# Altium PCB STM32MP25XXAK_2_DDR4.PcbDoc (part 1 of 6) (continued)
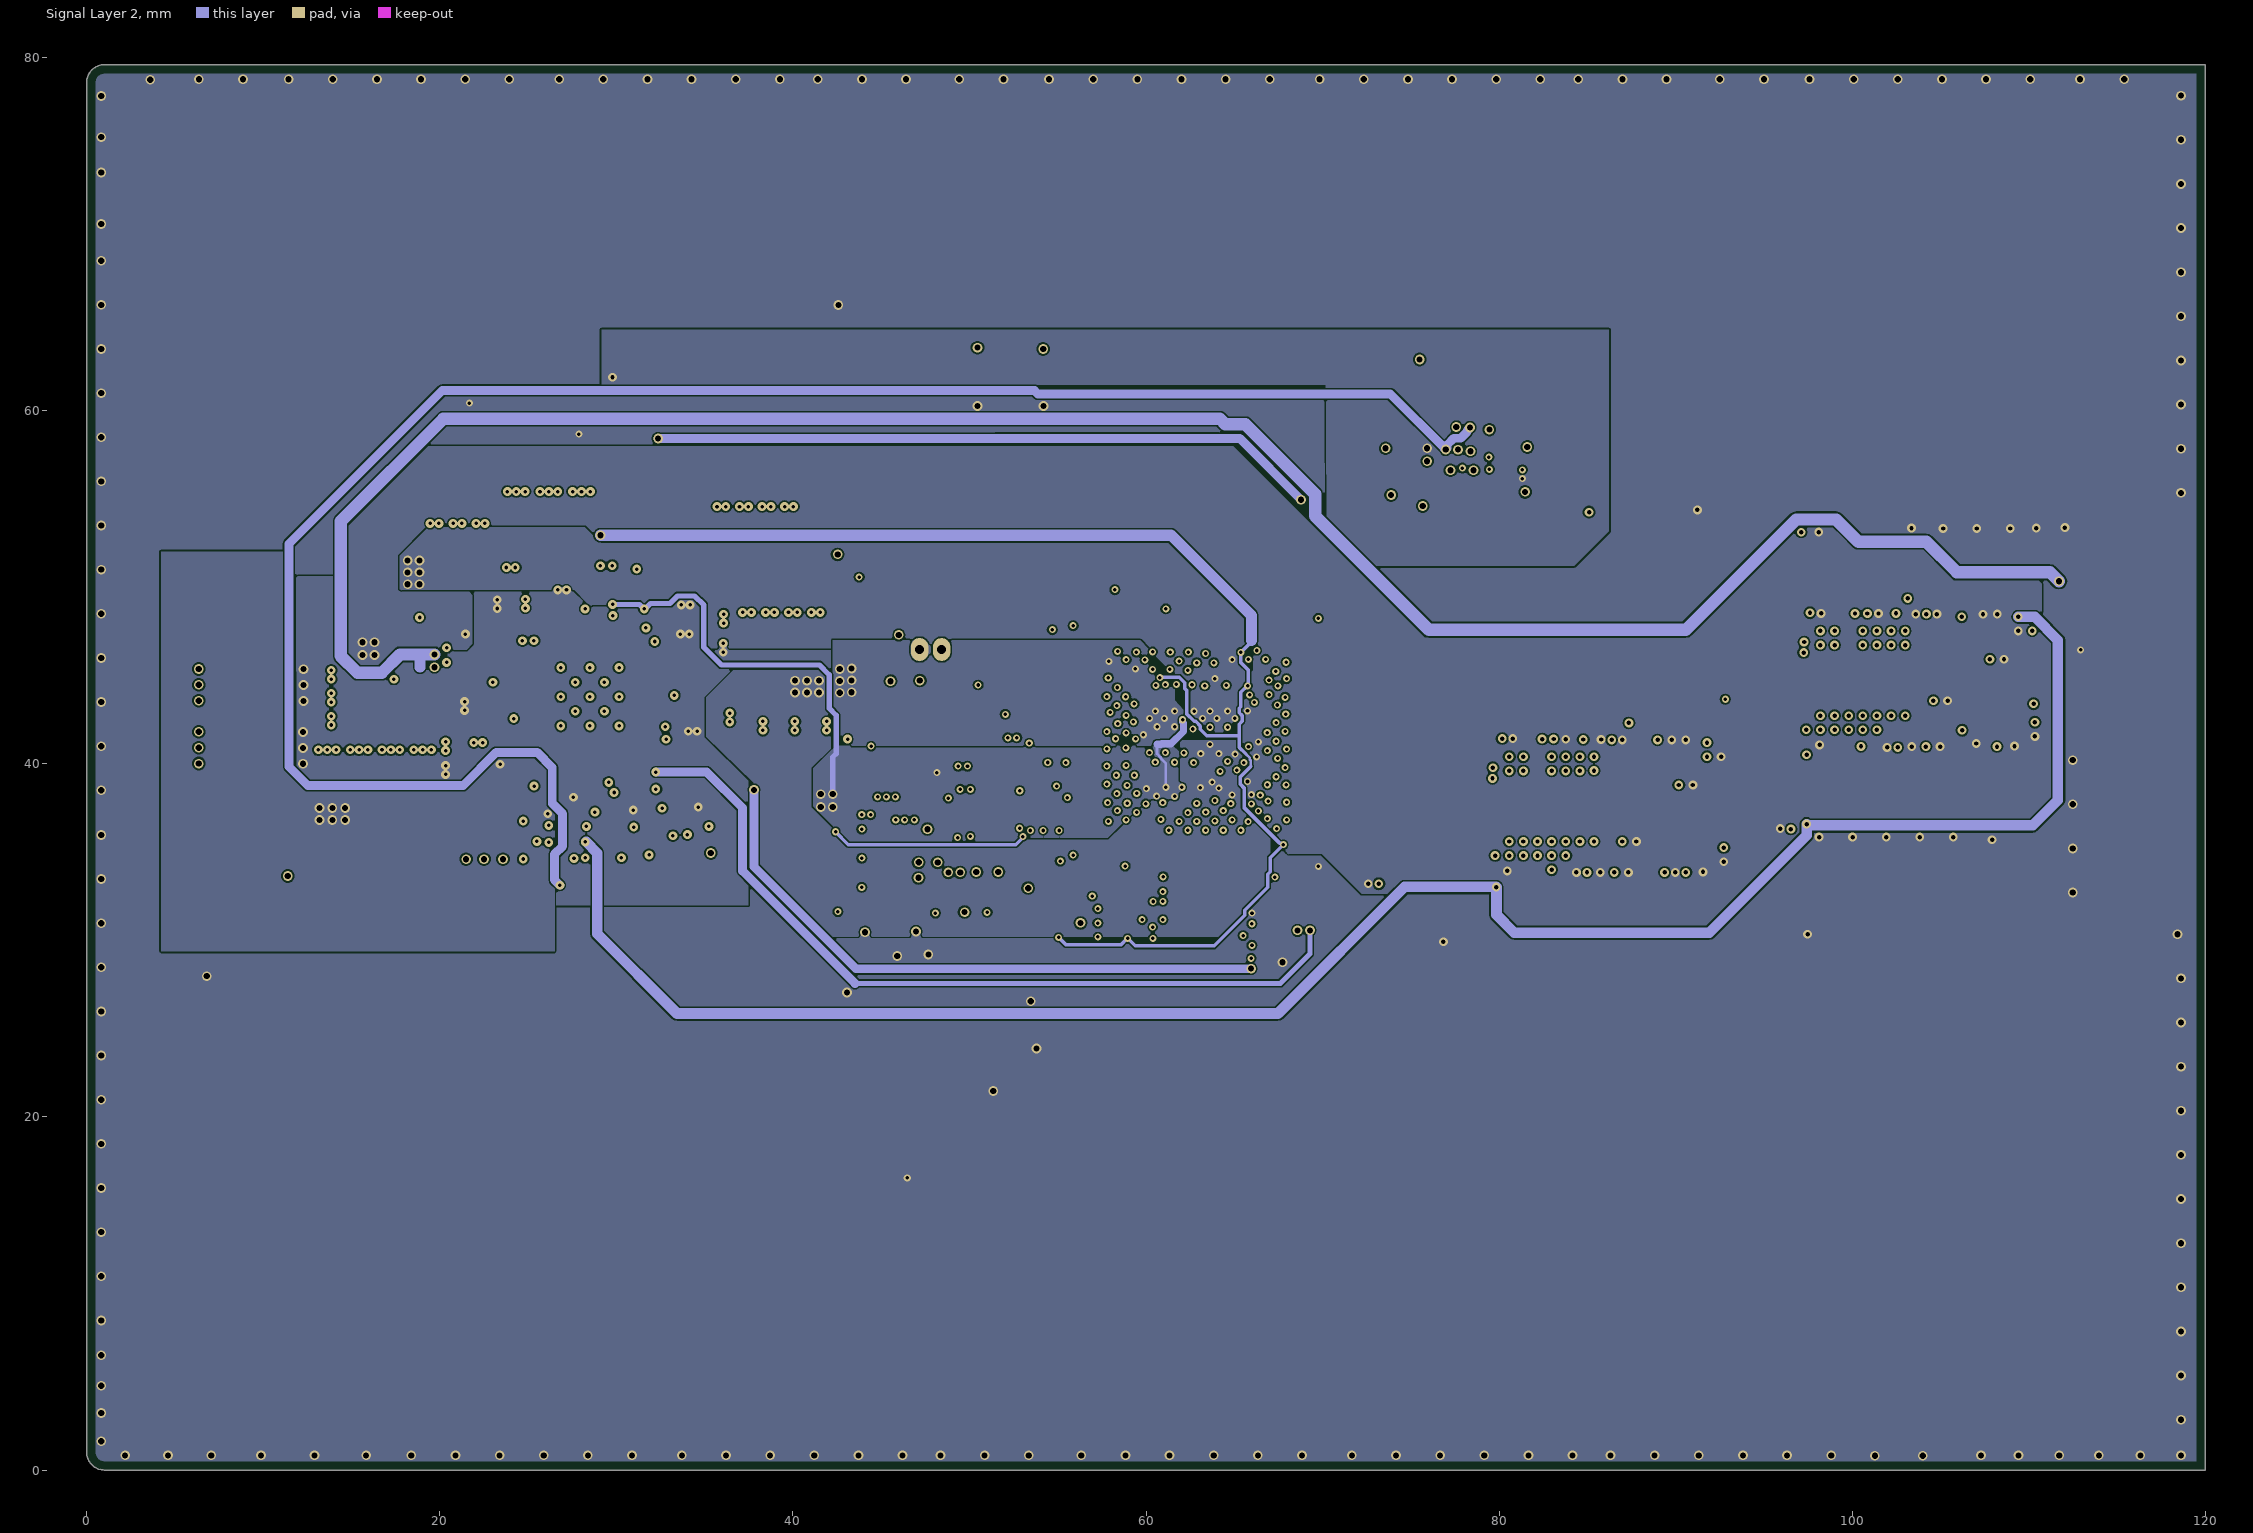
[diagram p3: Signal Layer 2]
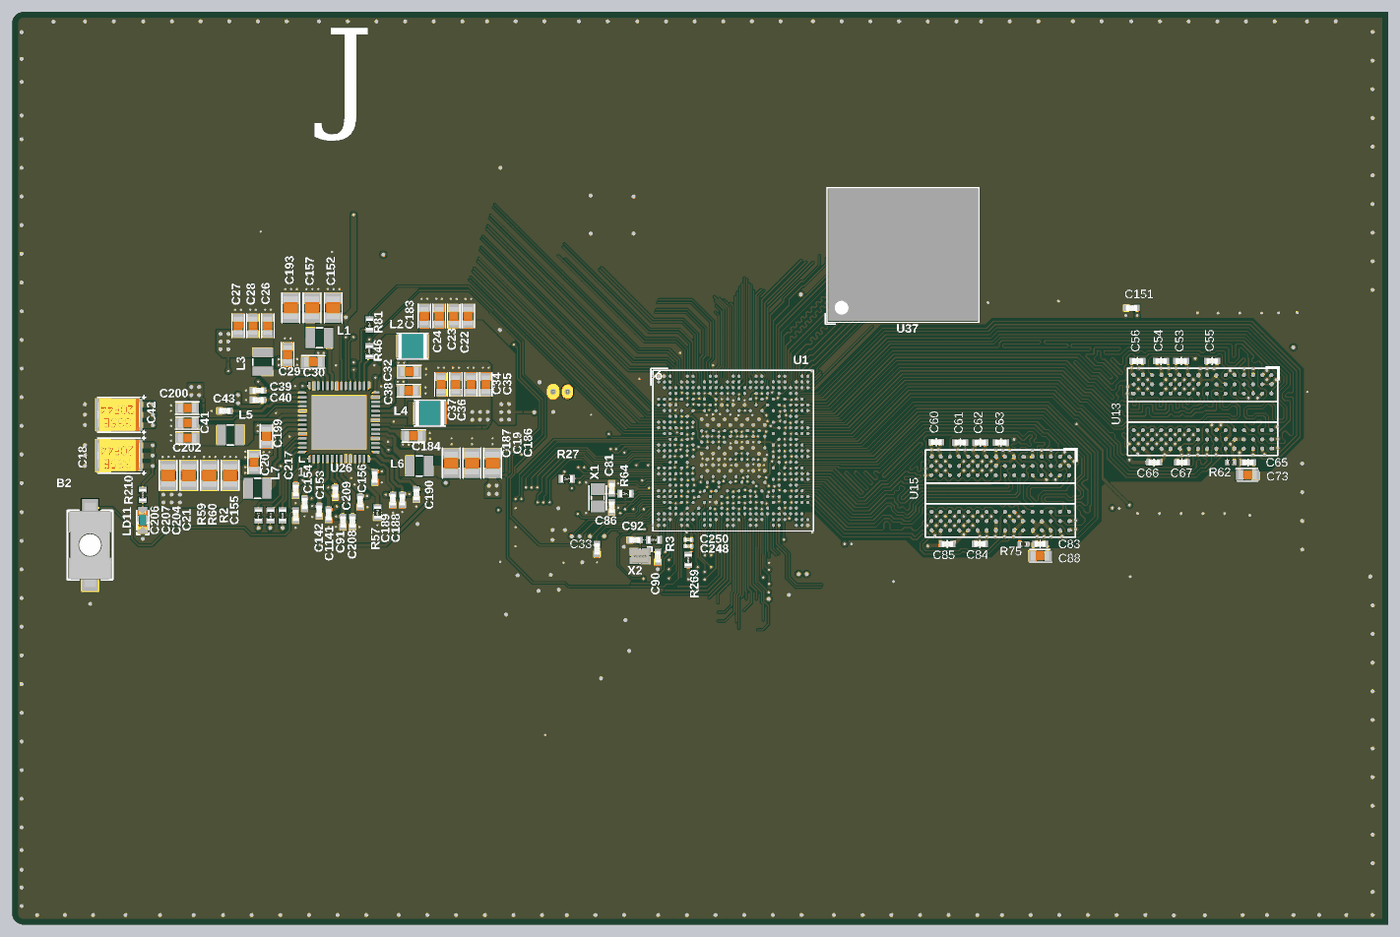
[diagram p9: 3D render of the assembled board from above, using the file's embedded part models]
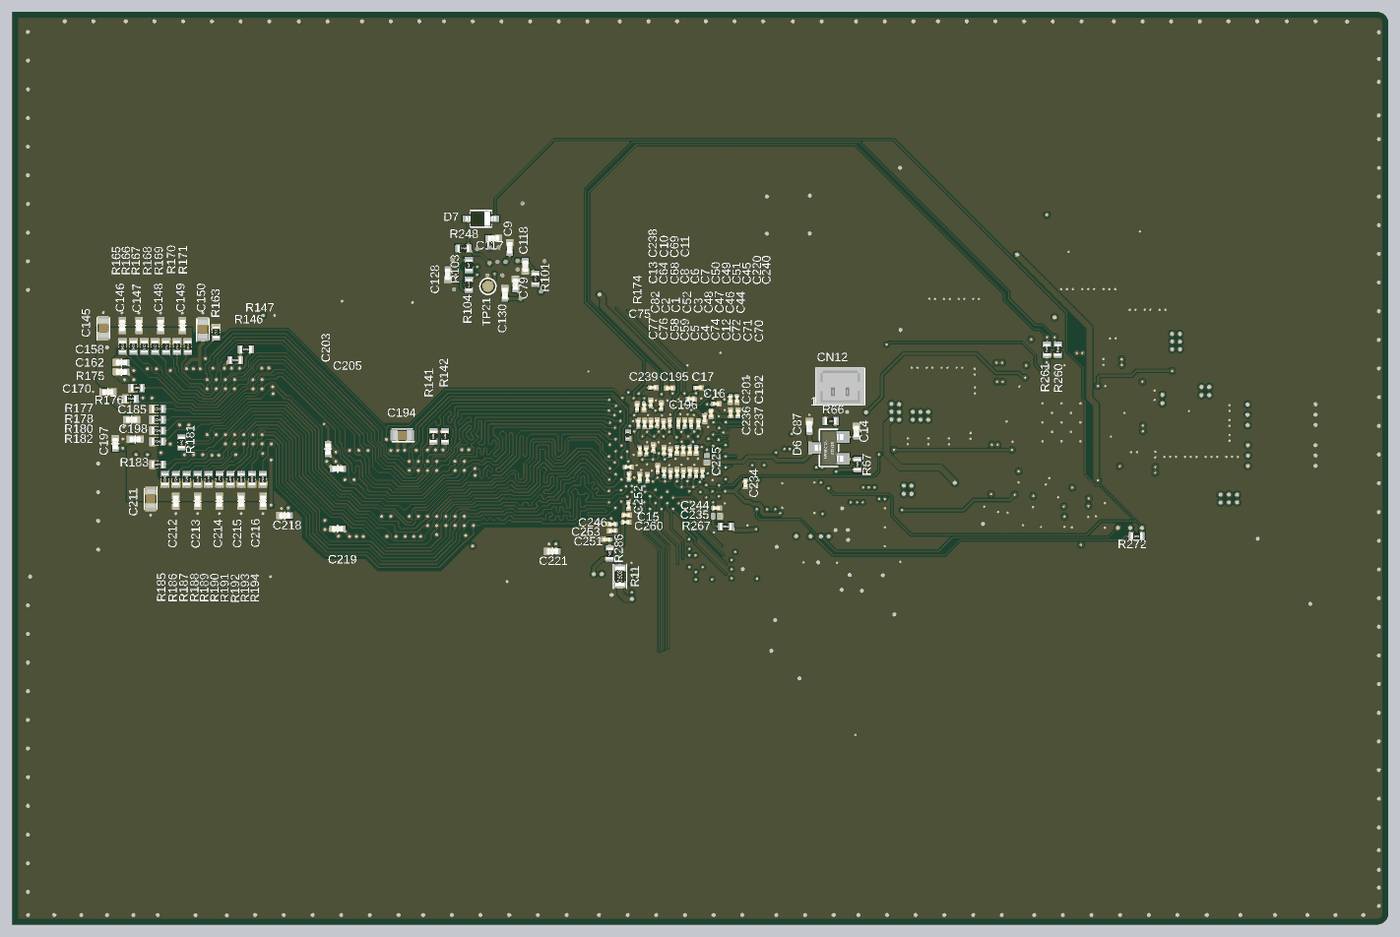
[diagram p10: 3D render of the assembled board from below, using the file's embedded part models]

## Layer stack, top to bottom
Top Solder: solder mask 0.025, Solder Resist, Dk 3.5
Top Layer: signal copper 0.037
Dielectric 1: prepreg 0.07, Dk 3.8
Signal Layer 1: signal copper 0.035
Dielectric 2: core 1.33, Dk 4.3
Signal Layer 2: signal copper 0.035
Dielectric 3: prepreg 0.07, Dk 3.8
Bottom Layer: signal copper 0.037
Bottom Solder: solder mask 0.025, Solder Resist, Dk 3.5

## Board outline
0,1 0,78.6 cw(c1,78.6) 1,79.6 120,79.6 120,0 1,0 cw(c1,1)

## Design rules (kind name [scope] priority, off if disabled: settings)
BoardOutlineClearance Silkscreen [OnLayer('Top Overlay') or OnLayer('Bottom Overlay')] p1: gap=0 ignorepadtopadclearanceinfootprint=FALSE
BoardOutlineClearance [All] p2: gap=0.5 ignorepadtopadclearanceinfootprint=FALSE
Clearance Clearance_Default [All] p1: gap=0.1 ignorepadtopadclearanceinfootprint=TRUE except(0: SMDPad-Hole Via-Hole; 0.09: Track-Track Track-SMDPad; 0.2: Arc-Arc Arc-Track Arc-Hole Track-Hole SMDPad-SMDPad THPad-Hole Fill-Hole Poly-Hole Region-Hole Text-Hole)
ComponentClearance [All] p1: gap=0.2 collisioncheckmode=3 verticalgap=0 showdistances=FALSE
DiffPairsRouting 100H [InDifferentialPairClass('100H')] p1: maxlimit=0.254 minlimit=0.16 mostfreqgap=0.16 toplayer_maxgap=0.16 toplayer_minwidth=0.09 toplayer_maxwidth=0.09 toplayer_prefwidth=0.09 midlayer1_minwidth=0.09 midlayer1_maxwidth=0.381 midlayer1_prefwidth=0.09 midlayer4_minwidth=0.09 midlayer4_maxwidth=0.381 midlayer4_prefwidth=0.09 bottomlayer_maxgap=0.16 bottomlayer_minwidth=0.09 bottomlayer_maxwidth=0.09 bottomlayer_prefwidth=0.09 impedanceprofiledriven=TRUE impedanceprofileid={628B3294-B84C-4222-8D8D-B3EA8745C43E} impedanceprofilevalue=100.000000 maxuncoupledlength=12.7
FanoutControl Fanout_BGA [IsBGA] p1: bgadir=Out bgaviamode=Closest fanoutstyle=Auto fanoutdirection=Alternating viagrid=0.025 // Fanout_BGA (Default Rule)
FanoutControl Fanout_LCC [IsLCC] p2: bgadir=Out bgaviamode=Closest fanoutstyle=Auto fanoutdirection=Alternating viagrid=0.025 // Fanout_LCC (Default Rule)
FanoutControl Fanout_SOIC [IsSOIC] p3: bgadir=Out bgaviamode=Closest fanoutstyle=Auto fanoutdirection=Alternating viagrid=0.025 // Fanout_SOIC (Default Rule)
FanoutControl Fanout_Small [(CompPinCount < 5)] p4: bgadir=Out bgaviamode=Closest fanoutstyle=Auto fanoutdirection=OutThenIn viagrid=0.025 // Fanout_Small (Default Rule)
FanoutControl Fanout_Default [All] p5: bgadir=Out bgaviamode=Closest fanoutstyle=Auto fanoutdirection=Alternating viagrid=0.025 // Fanout_Default (Default Rule)
HoleSize [All] p1: absolutevalues=TRUE maxlimit=10 minlimit=0.1 maxpercent=80.000 minpercent=20.000
HoleToHoleClearance [All] p1: gap=0.25 allowstackedmicrovias=TRUE
MinimumSolderMaskSliver MinimumSolderMaskSliver_SOLDER_BRIDGE [All vs HasFootprint('SOLDER-BRIDGE_R0603-0R')] p1: minsoldermaskwidth=0.07
MinimumSolderMaskSliver [All] p2: minsoldermaskwidth=0.075
NetAntennae [All] p1 off: netantennaetolerance=0
PlaneConnect [All] p1: planeconnectstyle=Direct reliefexpansion=0.508 reliefentries=4 reliefconductorwidth=0.21 reliefairgap=0.21
PolygonConnect PolygonConnect_Default [All] p1: connectstyle=Direct reliefconductorwidth=0.25 reliefentries=4 polygonreliefangle="90 Angle" airgapwidth=0.25
RoomDefinition RoomDefinition_eMMC [False] p1: confinementstyle=ConfineIn formatcopy=TRUE lockcomponents=FALSE outline 74.056,62.109 81.346,62.109 81.346,54.705 74.056,54.705
RoomDefinition RoomDefinition_DDR [False] p2: confinementstyle=ConfineIn formatcopy=TRUE lockcomponents=FALSE outline 79.028,49.26 90.8,49.26 90.8,33.46 79.028,33.46
RoomDefinition U_PMIC [InComponentClass('U_PMIC')] p3: confinementstyle=ConfineIn formatcopy=TRUE lockcomponents=FALSE outline 55.625,48.575 70.125,48.575 70.125,34.075 55.625,34.075
RoutingVias RoutingVias_Default [InDrillLayerPair('Top Layer - Bottom Layer')] p1: holewidth=0.15 width=0.4 viastyle="Through Hole" minholewidth=0.15 minwidth=0.4 maxholewidth=0.35 maxwidth=0.6 useviatemplates=TRUE viatemplateguid#1={8082EAB8-D593-4669-9C8E-234CD125C595} viatemplateguid#2={4A52CD78-2857-4DB8-ADAE-B449967CBE18} viatemplateguid#3={0C56A9B8-CF93-463B-97D5-BDCC265789B0} viatemplateguid#4={9EEAC5F1-1464-4AAC-8BE4-C1C0A6092F06} viatemplateguid#5={9A8C30F8-C6A2-4C13-8E9B-1F9A2318E40D} viatemplateguid#6={9F28DA9E-6088-4B56-A5CF-E6C86A3E97F7} viatemplatename#1=v40h20m0mx0 viatemplatename#2=v40h20m0mx0(1) viatemplatename#3=v50h20m25 viatemplatename#4=v50h25m0mx0 viatemplatename#5=v50h25m30mx30 viatemplatename#6=v55h35m40mx40
ShortCircuit [All] p1 off: allowed=FALSE
SilkToSilkClearance [All] p1: silktosilkclearance=0.2
SilkToSolderMaskClearance [IsPad] p1: minsilkscreentomaskgap=0.015 clearancetoexposedcopper=TRUE
SolderMaskExpansion [All] p1: expansion=0.1 istentingtop=FALSE
UnRoutedNet [All] p1 off:
ViasUnderSMD [InPadClass('PC_VIAS-IN-PAD_OK')] p1: allowed=TRUE
Width Width_SINGLE_50R [InNetClass('50H')] p1: maxlimit=0.199 minlimit=0.078 preferedwidth=0.199 toplayer_minwidth=0.09 toplayer_maxwidth=0.11 toplayer_prefwidth=0.11 bottomlayer_minwidth=0.11 bottomlayer_maxwidth=0.11 bottomlayer_prefwidth=0.11 impedanceprofiledriven=TRUE impedanceprofileid={152E730A-FDA4-4006-BF82-0EE0D5C1A339} impedanceprofilevalue=50.000000 minimp=50.000000 maximp=50.000000 favimp=50.000000
Width Width_SINGLE_DDR_55R [InNetClass('55H')] p2: maxlimit=0.199 minlimit=0.078 preferedwidth=0.199 toplayer_minwidth=0.09 toplayer_maxwidth=0.09 toplayer_prefwidth=0.09 bottomlayer_minwidth=0.09 bottomlayer_maxwidth=0.09 bottomlayer_prefwidth=0.09 impedanceprofiledriven=TRUE impedanceprofileid={D5948A69-504E-4D29-B9E5-77B49DDD78E4} impedanceprofilevalue=55.000000 minimp=50.000000 maximp=50.000000 favimp=50.000000
Width Width_Default [InNet('GND')] p3: maxlimit=10 minlimit=0.09 preferedwidth=0.3
14 further rules are at their usual default settings.

## Classes and differential pairs
component class U_2_DDR4_16bits: C53 C54 C55 C56 C60 C61 C62 C63 C65 C66 C67 C73 C83 C84 C85 C88 C145 C146 C147 C148 C149 C150 C151 C158 C162 C170 C185 C194 C197 C198 C203 C205 C211 C212 C213 C214 C215 C216 C218 C219 C221 R62 R75 R141 R142 R146 R147 R163 R165 R166 R167 R168 R169 R170 R171 R174 R175 R176 R177 R178 R180 R181 R182 R183 R185 R186 R187 R188 R189 R190 R191 R192 R193 R194 U13 U15
net class 55H: DDR_A0 DDR_A1 DDR_A2 DDR_A3 DDR_A4 DDR_A5 DDR_A6 DDR_A7 DDR_A8 DDR_A9 DDR_A10 DDR_A11 DDR_A12 DDR_A13 DDR_BA0 DDR_BA1 DDR_CASN DDR_CKE DDR_CSN DDR_DQ0 DDR_DQ1 DDR_DQ2 DDR_DQ3 DDR_DQ4 DDR_DQ5 DDR_DQ6 DDR_DQ7 DDR_DQ8 DDR_DQ9 DDR_DQ10 DDR_DQ11 DDR_DQ12 DDR_DQ13 DDR_DQ14 DDR_DQ15 DDR_DQ16 DDR_DQ17 DDR_DQ18 DDR_DQ19 DDR_DQ20 DDR_DQ21 DDR_DQ22 DDR_DQ23 DDR_DQ24 DDR_DQ25 DDR_DQ26 DDR_DQ27 DDR_DQ28 DDR_DQ29 DDR_DQ30 DDR_DQ31 DDR_DQM0 DDR_DQM1 DDR_DQM2 DDR_DQM3 DDR_ODT DDR_RASN DDR_RESETN DDR_WEN
differential pair class 100H: DDR_CLK DDR_DQS0 DDR_DQS1 DDR_DQS2 DDR_DQS3
net class eMMC.SDMMC2_D[0..7]: eMMC.SDMMC2_CK eMMC.SDMMC2_CMD eMMC.SDMMC2_D0 eMMC.SDMMC2_D1 eMMC.SDMMC2_D2 eMMC.SDMMC2_D3 eMMC.SDMMC2_D4 eMMC.SDMMC2_D5 eMMC.SDMMC2_D6 eMMC.SDMMC2_D7
component class U_eMMC: C9 C79 C117 C118 C128 C130 D7 R101 R103 R104 R248 TP21 U37
component class "U_STM32MP25XXAK I_Os": C33 C81 C86 C90 C92 R3 R27 R64 R260 R261 R272 U1 X1 X2
component class "U_STM32MP25XXAK Power": C1 C2 C3 C4 C5 C6 C7 C8 C10 C11 C12 C13 C14 C15 C16 C17 C44 C45 C46 C47 C48 C49 C50 C51 C52 C58 C59 C64 C68 C69 C70 C71 C72 C74 C75 C76 C77 C82 C87 C192 C195 C196 C201 C220 C225 C234 C235 C236 C237 C238 C239 C240 C244 C246 C248 C250 C251 C252 C253 C260 CN12 D6 R11 R66 R67 R267 R269 R286
component class U_PMIC: B2 C18 C19 C20 C21 C22 C23 C24 C26 C27 C28 C29 C30 C32 C34 C35 C36 C37 C38 C39 C40 C41 C42 C43 C91 C142 C152 C153 C154 C155 C156 C157 C183 C184 C186 C187 C188 C189 C190 C193 C199 C200 C202 C204 C206 C207 C208 C209 C217 C1141 L1 L2 L3 L4 L5 L6 L7 LD11 LNK1 LNK2 LNK4 LNK7 LNK8 LNK11 R2 R46 R57 R59 R60 R81 R210 U26
differential pair DDR_CLK: +DDR_CLK_P -DDR_CLK_N
differential pair DDR_DQS3: +DDR_DQS3_P -DDR_DQS3_N
differential pair DDR_DQS1: +DDR_DQS1_P -DDR_DQS1_N
differential pair DDR_DQS2: +DDR_DQS2_P -DDR_DQS2_N
differential pair DDR_DQS0: +DDR_DQS0_P -DDR_DQS0_N

## Components (designator, comment, footprint, x,y, rotation, side; value= is the part's Value field where it differs from the comment)
B2 "SW_PUSH_SMD_2P" SWI_WE_434121025816 6.795,33.104 r90 top value=434121025816
C1 "1uF" C0201_MURATA_GRM033_H0P3 64.083,41.581 r270 bottom
C2 "1uF" C0201_MURATA_GRM033_H0P3 64.705,41.304 r270 bottom
C3 "1uF" C0201_MURATA_GRM033_H0P3 62.6,41.2 r270 bottom
C4 "1uF" C0201_MURATA_GRM033_H0P3 62.592,39.328 r270 bottom
C5 "1uF" C0201_MURATA_GRM033_H0P3 63.154,39.397 r270 bottom
C6 "1uF" C0201_MURATA_GRM033_H0P3 63.2,43.65 r90 bottom
C7 "1uF" C0201_MURATA_GRM033_H0P3 62.65,43.73 r270 bottom
C8 "1uF" C0201_MURATA_GRM033_H0P3 63.75,43.75 r90 bottom
C9 "Capacitor" C0402 76.615,59.03 r270 bottom value=100nF
C10 "1uF" C0201_MURATA_GRM033_H0P3 64.9,45.16 r90 bottom
C11 "1uF" C0201_MURATA_GRM033_H0P3 63.4,45.225 r270 bottom
C12 "1uF" C0201_MURATA_GRM033_H0P3 61.467,39.349 r90 bottom
C13 "1uF" C0201_MURATA_GRM033_H0P3 65.4,43.725 r270 bottom
C14 "Capacitor" C0402 46.382,43.015 r270 bottom value=2.2uF
C15 "Capacitor" C0201_MURATA_GRM033_H0P3 66.446,35.716 r0 bottom value=1uF
C16 "Capacitor" C0201_MURATA_GRM033_H0P3 58.625,45.425 r0 bottom value=100nF
C17 "Capacitor" C0201_MURATA_GRM033_H0P3 60.177,46.829 r0 bottom value=100nF
C18 "Cap_POL_TANA" CPOL_TCJ-B_1210_H210 9.311,40.906 r180 top value=100uF
C19 "Capacitor" C0805 40.1,40.25 r270 top value=22uF
C20 "Capacitor" C0603 21.1,40.325 r270 top value=10uF
C21 "Capacitor" C0805 19,39.173 r270 top value=22uF
C22 "Capacitor" C0603 39.775,53.075 r270 top value=22uF
C23 "Capacitor" C0603 38.5,53.075 r270 top value=22uF
C24 "Capacitor" C0603 37.225,53.075 r270 top value=22uF
C26 "Capacitor" C0603 22.3,52.225 r270 top value=22uF
C27 "Capacitor" C0603 19.7,52.225 r270 top value=22uF
C28 "Capacitor" C0603 21,52.225 r270 top value=22uF
C29 "Capacitor" C0603 24.025,49.725 r270 top value=10uF
C30 "Capacitor" C0603 26.25,49.075 r0 top value=10uF
C32 "Capacitor" C0603 34.625,48.225 r180 top value=10uF
C33 "Capacitor" C0402 51,32.75 r90 top value=10nF
C34 "Capacitor" C0603 40,47.1 r270 top value=22uF
C35 "Capacitor" C0603 41.3,47.1 r270 top value=22uF
C36 "Capacitor" C0603 38.7,47.1 r270 top value=22uF
C37 "Capacitor" C0603 37.4,47.1 r270 top value=22uF
C38 "Capacitor" C0603 34.575,46.575 r180 top value=10uF
C39 "Capacitor" C0402 21.445,46.575 r0 top value=10uF
C40 "Capacitor" C0402 21.445,45.75 r0 top value=10uF
C41 "Capacitor" C0603 15.275,43.75 r0 top value=22uF
C42 "Cap_POL_TANA" CPOL_TCJ-B_1210_H210 9.311,44.468 r180 top value=100uF
C43 "Capacitor" C0402 18.535,44.8 r0 top value=1uF
C44 "1uF" C0201_MURATA_GRM033_H0P3 60.351,41.38 r270 bottom
C45 "1uF" C0201_MURATA_GRM033_H0P3 60.16,43.67 r270 bottom
C46 "1uF" C0201_MURATA_GRM033_H0P3 60.915,41.38 r90 bottom
C47 "1uF" C0201_MURATA_GRM033_H0P3 61.476,41.356 r270 bottom
C48 "1uF" C0201_MURATA_GRM033_H0P3 62.038,41.382 r90 bottom
C49 "1uF" C0201_MURATA_GRM033_H0P3 61.35,43.725 r270 bottom
C50 "1uF" C0201_MURATA_GRM033_H0P3 61.9,43.725 r270 bottom
C51 "1uF" C0201_MURATA_GRM033_H0P3 60.8,43.725 r270 bottom
C52 "1uF" C0201_MURATA_GRM033_H0P3 63.162,41.332 r270 bottom
C53 "Capacitor" C0402 101.95,49.15 r180 top value=100nF
C54 "Capacitor" C0402 100.18,49.15 r0 top value=100nF
C55 "Capacitor" C0402 104.63,49.15 r0 top value=100nF
C56 "Capacitor" C0402 98.13,49.145 r0 top value=100nF
C58 "1uF" C0201_MURATA_GRM033_H0P3 64.607,38.972 r270 bottom
C59 "1uF" C0201_MURATA_GRM033_H0P3 63.714,39.761 r270 bottom
C60 "Capacitor" C0402 80.581,42.082 r0 top value=100nF
C61 "Capacitor" C0402 82.665,42.05 r0 top value=100nF
C62 "Capacitor" C0402 84.431,42.048 r180 top value=100nF
C63 "Capacitor" C0402 86.22,42.048 r0 top value=100nF
C64 "1uF" C0201_MURATA_GRM033_H0P3 64.85,43.7 r270 bottom
C65 "Capacitor" C0402 107.771,40.313 r180 top value=100nF
C66 "Capacitor" C0402 99.568,40.299 r180 top value=100nF
C67 "Capacitor" C0402 101.999,40.307 r180 top value=100nF
C68 "1uF" C0201_MURATA_GRM033_H0P3 64.3,43.7 r270 bottom
C69 "1uF" C0201_MURATA_GRM033_H0P3 64.305,45.477 r270 bottom
C70 "1uF" C0201_MURATA_GRM033_H0P3 59.805,39.35 r90 bottom
C71 "1uF" C0201_MURATA_GRM033_H0P3 60.355,39.35 r270 bottom
C72 "1uF" C0201_MURATA_GRM033_H0P3 60.905,39.423 r270 bottom
C73 "Capacitor" C0603 107.731,39.223 r180 top value=10uF
C74 "1uF" C0201_MURATA_GRM033_H0P3 62.03,39.408 r270 bottom
C75 "1uF" C0201_MURATA_GRM033_H0P3 66.29,39.9 r0 bottom
C76 "1uF" C0201_MURATA_GRM033_H0P3 65.275,39 r270 bottom
C77 "1uF" C0201_MURATA_GRM033_H0P3 66.225,39.075 r90 bottom
C79 "Capacitor" C0402 76.11,55.855 r270 bottom value=2.2uF
C81 "Capacitor" C0402 52.285,38.025 r90 top value=6.8pF
C82 "1uF" C0201_MURATA_GRM033_H0P3 65.26,41.325 r90 bottom
C83 "Capacitor" C0402 89.636,33.195 r0 top value=100nF
C84 "Capacitor" C0402 84.377,33.198 r180 top value=100nF
C85 "Capacitor" C0402 81.541,33.193 r180 top value=100nF
C86 "Capacitor" C0402 52.285,36.4 r270 top value=6.8pF
C87 "" C0402 50.485,43.438 r270 bottom value=100nF
C88 "Capacitor" C0603 89.629,32.165 r0 top value=10uF
C90 "Capacitor" C0402 56.293,32.06 r90 top value=6.8pF
C91 "Capacitor" C0402 28.85,35.13 r270 top value=4.7uF
C92 "Capacitor" C0402 54.309,33.546 r180 top value=6.8pF
C117 "Capacitor" C0402 78.025,59.864 r0 bottom value=2.2uF
C118 "Capacitor" C0402 75.26,57.43 r90 bottom value=100nF
C128 "Capacitor" C0402 82.015,56.705 r90 bottom value=2.2uF
C130 "Capacitor" C0402 77.027,55.055 r270 bottom value=100nF
C142 "Capacitor" C0402 26.775,36.06 r270 top value=4.7uF
C145 "Capacitor" C0603 112.053,52.028 r270 bottom locked value=22uF
C146 "Capacitor" C0402 110.403,52.252 r270 bottom value=100nF
C147 "Capacitor" C0402 108.953,52.252 r270 bottom value=100nF
C148 "Capacitor" C0402 107.053,52.252 r270 bottom value=100nF
C149 "Capacitor" C0402 105.153,52.252 r270 bottom value=100nF
C150 "Capacitor" C0603 103.363,51.928 r270 bottom value=10uF
C151 "Capacitor" C0402 97.605,53.774 r0 top value=100nF
C152 "Capacitor" C0805 28,53.8 r270 top value=22uF
C153 "Capacitor" C0402 28.175,37.72 r90 top value=1uF
C154 "Capacitor" C0402 25.5,36.725 r90 top value=1uF
C155 "Capacitor" C0402 24.727,35.695 r90 top value=10nF
C156 "Capacitor" C0402 31.625,39.02 r90 top value=4.7uF
C157 "Capacitor" C0805 26.15,53.8 r270 top value=22uF
C158 "Capacitor" C0402 110.478,49.027 r180 bottom value=100nF
C162 "Capacitor" C0402 110.478,48.202 r180 bottom value=100nF
C170 "Capacitor" C0402 111.653,46.453 r180 bottom locked value=100nF
C183 "Capacitor" C0603 35.95,53.075 r270 top value=22uF
C184 "Capacitor" C0603 34.997,42.625 r180 top value=10uF
C185 "Capacitor" C0402 109.578,44.027 r180 bottom value=100nF
C186 "Capacitor" C0805 41.9,40.25 r270 top value=22uF
C187 "Capacitor" C0805 38.3,40.25 r270 top value=22uF
C188 "Capacitor" C0402 34.025,37.04 r90 top value=1uF
C189 "Capacitor" C0402 33.2,37.04 r90 top value=4.7uF
C190 "Capacitor" C0402 35.25,37.515 r270 top value=4.7uF
C192 "Capacitor" C0201_MURATA_GRM033_H0P3 56.8,45.825 r90 bottom value=100nF
C193 "Capacitor" C0805 24.3,53.8 r270 top value=22uF
C194 "Capacitor" C0603 85.98,42.67 r180 bottom value=10uF
C195 "Capacitor" C0201_MURATA_GRM033_H0P3 62.675,46.787 r180 bottom value=100nF
C196 "Capacitor" C0201_MURATA_GRM033_H0P3 60.8,45.85 r0 bottom value=100nF
C197 "Capacitor" C0402 111.003,41.952 r270 bottom value=100nF
C198 "Capacitor" C0402 109.278,42.327 r180 bottom value=100nF
C199 "Capacitor" C0603 22.175,42.6 r90 top value=10uF
C200 "Capacitor" C0603 15.275,45.05 r0 top value=22uF
C201 "Capacitor" C0201_MURATA_GRM033_H0P3 57.375,45.825 r90 bottom value=100nF
C202 "Capacitor" C0603 15.275,42.45 r0 top value=22uF
C203 "Capacitor" C0402 92.453,41.477 r90 bottom value=100nF
C204 "Capacitor" C0805 17.2,39.173 r270 top value=22uF
C205 "Capacitor" C0402 91.603,39.752 r0 bottom value=100nF
C206 "Capacitor" C0805 13.6,39.173 r270 top value=22uF
C207 "Capacitor" C0805 15.4,39.173 r270 top value=22uF
C208 "Capacitor" C0402 29.675,35.13 r270 top value=4.7uF
C209 "Capacitor" C0402 30.35,36.87 r90 top value=4.7uF
C211 "Capacitor" C0603 107.928,37.127 r90 bottom value=22uF
C212 "Capacitor" C0402 105.728,36.927 r90 bottom value=100nF
C213 "Capacitor" C0402 103.828,36.927 r90 bottom value=100nF
C214 "Capacitor" C0402 101.928,36.927 r90 bottom value=100nF
C215 "Capacitor" C0402 100.028,36.927 r90 bottom value=100nF
C216 "Capacitor" C0402 98.128,36.927 r90 bottom value=100nF
C217 "Capacitor" C0402 24.725,37.87 r270 top value=4.7uF
C218 "Capacitor" C0402 96.23,35.668 r180 bottom value=100nF
C219 "Capacitor" C0402 91.628,34.527 r0 bottom value=100nF
C220 "Capacitor" C0201_MURATA_GRM033_H0P3 59.609,44.131 r90 bottom value=100nF
C221 "Capacitor" C0402 72.889,32.556 r180 bottom locked value=100nF
C225 "Capacitor" C0201_H0P5 59.425,40.6 r90 bottom value=4.7uF
C234 "Capacitor" C0201_MURATA_GRM033_H0P3 56.064,38.473 r90 bottom value=100nF
C235 "Capacitor" C0201_H0P5 58.575,35.625 r0 bottom value=2.2uF
C236 "Capacitor" C0201_MURATA_GRM033_H0P3 57.35,44.6 r270 bottom value=100nF
C237 "Capacitor" C0201_MURATA_GRM033_H0P3 56.696,44.605 r270 bottom value=100nF
C238 "Capacitor" C0201_MURATA_GRM033_H0P3 65.5,45.158 r270 bottom value=100nF
C239 "Capacitor" C0201_MURATA_GRM033_H0P3 64.125,46.837 r0 bottom value=100nF